# KiCad board Eclipse60.kicad_pcb (continued)
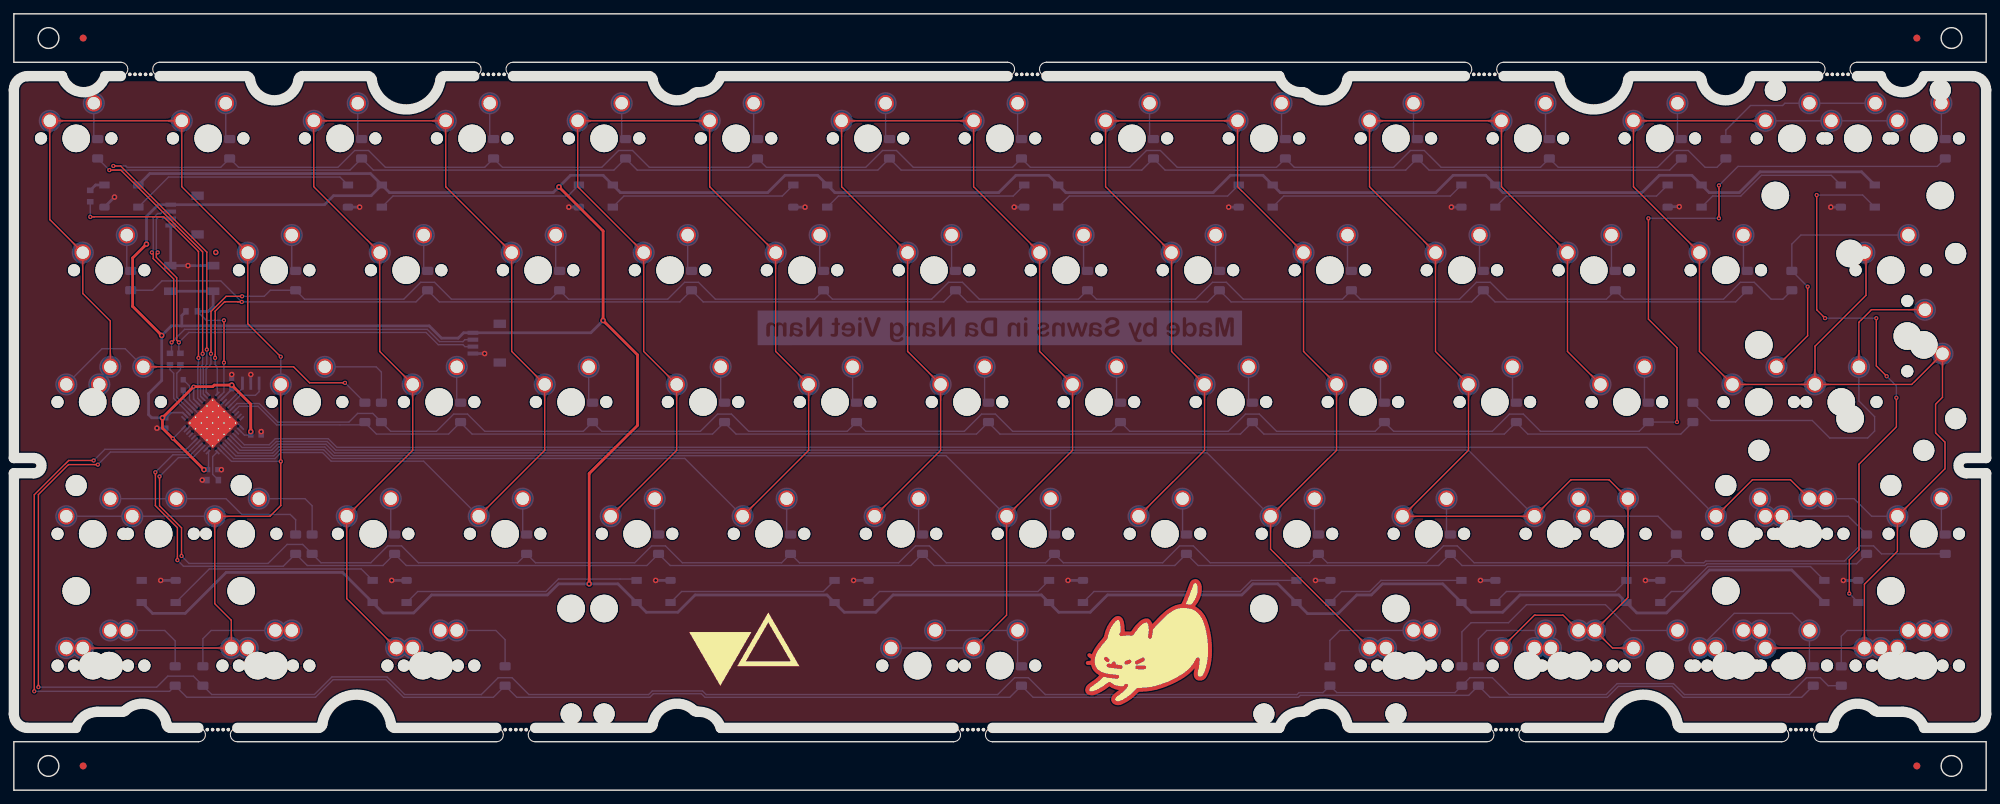
[diagram p0: board, top side]
## Copper pours and planes (outline as drawn; the poured copper is in the pictures) (continued)
Net-(D69-Pad2) on Bottom: 136.17,23.18 136.04,23.18 135.91,23.19 135.79,23.2 135.68,23.22 135.58,23.24 135.48,23.27 135.39,23.3 135.31,23.33 135.23,23.37 135.15,23.4 135.08,23.45 135.01,23.49 134.95,23.54 134.88,23.59 134.82,23.64 134.76,23.7 134.45,23.99 134.39,24.05 134.32,24.11 134.24,24.17 134.16,24.23 134.08,24.29 133.99,24.35 133.89,24.41 133.79,24.46 133.68,24.52 132.18,23.08 133.68,21.64 133.79,21.7 133.89,21.75 133.99,21.81 134.08,21.87 134.16,21.93 134.24,21.99 134.32,22.05 134.39,22.11 134.45,22.17 134.76,22.46 134.82,22.52 134.88,22.57 134.95,22.62 135.01,22.67 135.08,22.71 135.15,22.75 135.23,22.79 135.31,22.83 135.39,22.86 135.48,22.89 135.58,22.92 135.68,22.94 135.79,22.96 135.91,22.97 136.04,22.98 136.17,22.98
Net-(D69-Pad2) on Bottom: 142.5,22.98 142.6,22.98 142.7,22.97 142.79,22.96 142.87,22.95 142.95,22.94 143.02,22.92 143.09,22.9 143.15,22.87 143.21,22.85 143.26,22.82 143.32,22.79 143.37,22.75 143.42,22.72 143.47,22.68 143.89,22.3 143.95,22.26 144.01,22.21 144.07,22.17 144.14,22.13 144.21,22.08 144.29,22.04 144.37,22 145.49,23.08 144.37,24.16 144.29,24.12 144.21,24.08 144.14,24.03 144.07,23.99 144.01,23.95 143.95,23.9 143.89,23.86 143.47,23.48 143.42,23.44 143.37,23.41 143.32,23.37 143.26,23.34 143.21,23.31 143.15,23.29 143.09,23.26 143.02,23.24 142.95,23.22 142.87,23.21 142.79,23.2 142.7,23.19 142.6,23.18 142.5,23.18
Net-(D69-Pad2) on Bottom: 141.7,22.98 141.84,22.98 141.96,22.97 142.08,22.96 142.19,22.94 142.3,22.92 142.39,22.89 142.48,22.86 142.57,22.83 142.65,22.79 142.72,22.75 142.79,22.71 142.86,22.67 142.93,22.62 142.99,22.57 143.05,22.52 143.11,22.46 143.42,22.17 143.49,22.11 143.56,22.05 143.63,21.99 143.71,21.93 143.8,21.87 143.88,21.81 143.98,21.75 144.08,21.7 144.19,21.64 145.69,23.08 144.19,24.52 144.08,24.46 143.98,24.41 143.88,24.35 143.8,24.29 143.71,24.23 143.63,24.17 143.56,24.11 143.49,24.05 143.42,23.99 143.11,23.7 143.05,23.64 142.99,23.59 142.93,23.54 142.86,23.49 142.79,23.45 142.72,23.4 142.65,23.37 142.57,23.33 142.48,23.3 142.39,23.27 142.3,23.24 142.19,23.22 142.08,23.2 141.96,23.19 141.84,23.18 141.7,23.18
Net-(D70-Pad2) on Bottom: 237.75,22.98 237.85,22.98 237.95,22.97 238.04,22.96 238.12,22.95 238.2,22.94 238.27,22.92 238.34,22.9 238.4,22.87 238.46,22.85 238.51,22.82 238.57,22.79 238.62,22.75 238.67,22.72 238.72,22.68 239.14,22.3 239.2,22.26 239.26,22.21 239.32,22.17 239.39,22.13 239.46,22.08 239.54,22.04 239.62,22 240.74,23.08 239.62,24.16 239.54,24.12 239.46,24.08 239.39,24.03 239.32,23.99 239.26,23.95 239.2,23.9 239.14,23.86 238.72,23.48 238.67,23.44 238.62,23.41 238.57,23.37 238.51,23.34 238.46,23.31 238.4,23.29 238.34,23.26 238.27,23.24 238.2,23.22 238.12,23.21 238.04,23.2 237.95,23.19 237.85,23.18 237.75,23.18
Net-(D70-Pad2) on Bottom: 236.95,22.98 237.09,22.98 237.21,22.97 237.33,22.96 237.44,22.94 237.55,22.92 237.64,22.89 237.73,22.86 237.82,22.83 237.9,22.79 237.97,22.75 238.04,22.71 238.11,22.67 238.18,22.62 238.24,22.57 238.3,22.52 238.36,22.46 238.67,22.17 238.74,22.11 238.81,22.05 238.88,21.99 238.96,21.93 239.05,21.87 239.13,21.81 239.23,21.75 239.33,21.7 239.44,21.64 240.94,23.08 239.44,24.52 239.33,24.46 239.23,24.41 239.13,24.35 239.05,24.29 238.96,24.23 238.88,24.17 238.81,24.11 238.74,24.05 238.67,23.99 238.36,23.7 238.3,23.64 238.24,23.59 238.18,23.54 238.11,23.49 238.04,23.45 237.97,23.4 237.9,23.37 237.82,23.33 237.73,23.3 237.64,23.27 237.55,23.24 237.44,23.22 237.33,23.2 237.21,23.19 237.09,23.18 236.95,23.18
Net-(D70-Pad2) on Bottom: 208.92,19.09 208.48,18.16 209.02,17.6 209.56,18.16 209.12,19.09
Net-(D71-Pad2) on Bottom: 259.29,19.89 259.29,20.03 259.3,20.15 259.31,20.27 259.33,20.38 259.35,20.49 259.38,20.58 259.41,20.67 259.44,20.76 259.48,20.84 259.51,20.91 259.56,20.98 259.6,21.05 259.65,21.12 259.7,21.18 259.75,21.24 259.81,21.3 260.1,21.61 260.16,21.68 260.22,21.75 260.28,21.82 260.34,21.9 260.4,21.98 260.46,22.07 260.52,22.17 260.57,22.27 260.63,22.38 259.19,23.88 257.75,22.38 257.81,22.27 257.86,22.17 257.92,22.07 257.98,21.98 258.04,21.9 258.1,21.82 258.16,21.75 258.22,21.68 258.28,21.61 258.57,21.3 258.63,21.24 258.68,21.18 258.73,21.12 258.78,21.05 258.82,20.98 258.87,20.91 258.9,20.84 258.94,20.76 258.97,20.67 259,20.58 259.03,20.49 259.05,20.38 259.07,20.27 259.08,20.15 259.09,20.03 259.09,19.89
Net-(D71-Pad2) on Bottom: 259.29,20.69 259.29,20.79 259.3,20.89 259.31,20.98 259.32,21.06 259.33,21.14 259.35,21.21 259.37,21.28 259.4,21.34 259.42,21.4 259.45,21.45 259.48,21.51 259.52,21.56 259.55,21.61 259.59,21.66 259.97,22.08 260.01,22.14 260.06,22.2 260.1,22.26 260.14,22.33 260.19,22.4 260.23,22.48 260.27,22.56 259.19,23.68 258.11,22.56 258.15,22.48 258.19,22.4 258.24,22.33 258.28,22.26 258.32,22.2 258.37,22.14 258.41,22.08 258.79,21.66 258.83,21.61 258.86,21.56 258.9,21.51 258.93,21.45 258.96,21.4 258.98,21.34 259.01,21.28 259.03,21.21 259.05,21.14 259.06,21.06 259.07,20.98 259.08,20.89 259.09,20.79 259.09,20.69
Net-(D71-Pad2) on Bottom: 256.86,25.26 256.96,25.17 257.04,25.07 257.12,24.98 257.18,24.89 257.24,24.8 257.29,24.71 257.34,24.63 257.37,24.55 257.4,24.46 257.43,24.38 257.45,24.3 257.46,24.22 257.48,24.14 257.48,24.06 257.49,23.98 257.5,23.9 257.51,23.48 257.51,23.39 257.52,23.29 257.53,23.2 257.54,23.1 257.56,23 257.58,22.89 257.61,22.78 257.64,22.67 257.68,22.55 259.76,22.51 259.72,24.59 259.6,24.63 259.48,24.66 259.38,24.69 259.27,24.71 259.17,24.73 259.07,24.74 258.98,24.75 258.88,24.76 258.79,24.76 258.37,24.77 258.29,24.78 258.21,24.79 258.13,24.79 258.05,24.81 257.97,24.82 257.89,24.84 257.81,24.87 257.72,24.9 257.64,24.93 257.56,24.98 257.47,25.03 257.38,25.09 257.29,25.15 257.2,25.23 257.1,25.31 257.01,25.41
Net-(D71-Pad2) on Bottom: 257.43,24.7 257.5,24.63 257.56,24.55 257.62,24.49 257.67,24.42 257.71,24.35 257.75,24.29 257.78,24.23 257.81,24.16 257.84,24.1 257.85,24.04 257.87,23.98 257.88,23.92 257.89,23.86 257.9,23.81 257.94,23.24 257.94,23.16 257.95,23.09 257.97,23.02 257.98,22.94 258,22.86 258.03,22.77 258.06,22.69 259.61,22.66 259.58,24.21 259.5,24.24 259.41,24.27 259.33,24.29 259.25,24.3 259.18,24.32 259.11,24.33 259.03,24.33 258.46,24.37 258.41,24.38 258.35,24.39 258.29,24.4 258.23,24.42 258.17,24.43 258.11,24.46 258.04,24.49 257.98,24.52 257.92,24.56 257.85,24.6 257.78,24.65 257.72,24.71 257.64,24.77 257.57,24.84
Net-(D71-Pad2) on Bottom: 245.5,22.87 245.4,22.77 245.31,22.69 245.21,22.61 245.12,22.55 245.03,22.49 244.95,22.44 244.86,22.39 244.78,22.36 244.7,22.33 244.62,22.3 244.54,22.28 244.46,22.27 244.38,22.25 244.3,22.25 244.22,22.24 244.14,22.23 243.71,22.22 243.62,22.22 243.53,22.21 243.43,22.2 243.34,22.19 243.23,22.17 243.13,22.15 243.02,22.12 242.91,22.09 242.79,22.05 242.75,19.97 244.83,20.01 244.86,20.13 244.9,20.24 244.92,20.35 244.94,20.46 244.96,20.56 244.97,20.66 244.98,20.75 244.99,20.85 245,20.94 245.01,21.36 245.01,21.44 245.02,21.52 245.03,21.6 245.04,21.68 245.06,21.76 245.08,21.84 245.1,21.92 245.13,22.01 245.17,22.09 245.21,22.17 245.26,22.26 245.32,22.35 245.39,22.44 245.46,22.53 245.55,22.63 245.64,22.72
Net-(D71-Pad2) on Bottom: 244.93,22.3 244.86,22.23 244.79,22.17 244.72,22.11 244.65,22.06 244.59,22.02 244.52,21.98 244.46,21.95 244.4,21.92 244.34,21.89 244.28,21.88 244.22,21.86 244.16,21.85 244.1,21.84 244.04,21.83 243.47,21.79 243.4,21.79 243.33,21.78 243.25,21.76 243.17,21.75 243.09,21.73 243.01,21.7 242.92,21.67 242.89,20.12 244.45,20.15 244.48,20.23 244.5,20.32 244.52,20.4 244.54,20.48 244.55,20.55 244.56,20.62 244.57,20.7 244.6,21.27 244.61,21.32 244.62,21.38 244.63,21.44 244.65,21.5 244.67,21.56 244.69,21.62 244.72,21.69 244.75,21.75 244.79,21.81 244.84,21.88 244.89,21.95 244.94,22.01 245,22.09 245.08,22.16
Net-(D72-Pad2) on Bottom: 271.09,22.98 271.19,22.98 271.28,22.97 271.37,22.96 271.46,22.95 271.53,22.94 271.61,22.92 271.67,22.9 271.74,22.87 271.8,22.85 271.85,22.82 271.91,22.79 271.96,22.75 272.01,22.72 272.05,22.68 272.48,22.3 272.54,22.26 272.6,22.21 272.66,22.17 272.73,22.13 272.8,22.08 272.87,22.04 272.95,22 274.08,23.08 272.95,24.16 272.87,24.12 272.8,24.08 272.73,24.03 272.66,23.99 272.6,23.95 272.54,23.9 272.48,23.86 272.05,23.48 272.01,23.44 271.96,23.41 271.91,23.37 271.85,23.34 271.8,23.31 271.74,23.29 271.67,23.26 271.61,23.24 271.53,23.22 271.46,23.21 271.37,23.2 271.28,23.19 271.19,23.18 271.09,23.18
Net-(D72-Pad2) on Bottom: 270.69,22.98 270.81,22.98 270.92,22.97 271.02,22.96 271.12,22.95 271.21,22.93 271.29,22.91 271.37,22.88 271.45,22.85 271.52,22.82 271.58,22.79 271.64,22.75 271.7,22.71 271.76,22.67 271.81,22.63 271.87,22.58 272.25,22.23 272.31,22.18 272.38,22.12 272.45,22.07 272.52,22.02 272.6,21.97 272.68,21.92 272.77,21.87 272.87,21.82 274.18,23.08 272.87,24.34 272.77,24.29 272.68,24.24 272.6,24.19 272.52,24.14 272.45,24.09 272.38,24.03 272.31,23.98 272.25,23.93 271.87,23.58 271.81,23.53 271.76,23.49 271.7,23.45 271.64,23.41 271.58,23.37 271.52,23.34 271.45,23.31 271.37,23.28 271.29,23.25 271.21,23.23 271.12,23.21 271.02,23.2 270.92,23.19 270.81,23.18 270.69,23.18
Net-(D72-Pad2) on Bottom: 263.69,19.09 263.25,18.16 263.79,17.6 264.33,18.16 263.89,19.09
Net-(R4-Pad2) on Bottom: 28.97,71.02 29.26,71.87 28.77,72.38 28.27,71.87 28.57,71.02
Net-(R4-Pad2) on Bottom: 23.66,72.31 22.81,72.6 22.29,72.11 22.81,71.61 23.66,71.91
Net-(R4-Pad2) on Bottom: 27.68,71.91 28.53,71.61 29.04,72.11 28.53,72.6 27.68,72.31
Net-(RGB14-Pad4) on Bottom: 184.15,30.22 184.93,29.87 185.39,30.32 184.93,30.77 184.15,30.42
Net-(RGB15-Pad4) on Bottom: 207.97,30.22 208.74,29.87 209.21,30.32 208.74,30.77 207.97,30.42

Small or netless copper shapes (teardrops, artwork), in the pictures only: 55 on Top, 244 on Bottom
